# KiCad board Monorail_Steam_Reduced.kicad_pcb (continued)
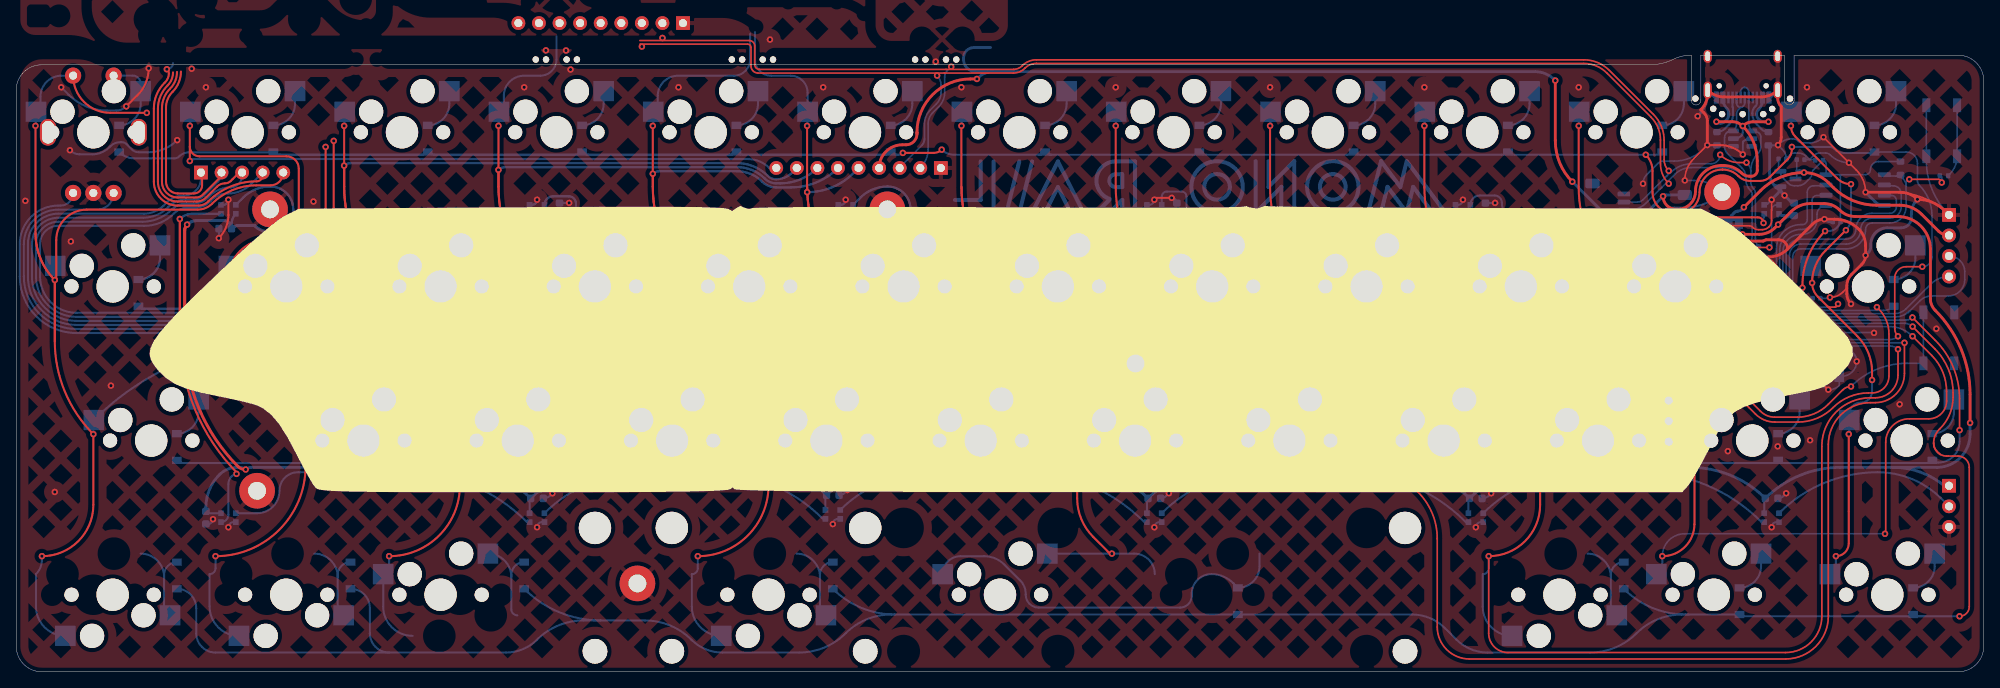
[diagram p0: board, top side]
## Routing (per net, layer and track width the routed paths; a pad name or vN(x,y) marks a point on that pad's centre or on a via; arc(x,y) is an arc through that point) (continued)
  Bottom w0.25: v1(223.29,54.46) 223.72,54.46 arc(224.76,54.89) 225.19,55.93 ; 214.09,45.26 216.39,45.26 ; 214.29,40.26 214.29,45.46 ; 219.09,45.46 219.09,40.26 ; 219.29,40.46 214.09,40.46
  Bottom w0.35: R12.1 211.96,37.43 arc(211.81,37.06) v1(211.43,36.9) ; 213.08,45.64 211.92,46.8 arc(211.9,46.83) 211.89,46.86 arc(211.99,46.88) 212.06,46.93 v1(212.39,47.26) ; 214.29,45.26 212.46,47.09 arc(212.41,47.17) v1(212.39,47.26) ; v1(212.39,47.26) 212.56,47.43 arc(212.65,47.56) 212.68,47.71
+5V: length 41.1
  Top w0.35: v1(213.27,57.41) 215.34,59.48 arc(217.8,61.12) v1(220.69,61.69) arc(222.33,61.37) 223.71,60.44 224.29,59.86 arc(226.73,58.23) 229.61,57.66 232.49,57.66 arc(233.97,57.37) 235.23,56.53 237.3,54.46 arc(237.89,54.06) J8.2
  Bottom w0.2: C2.1 219.79,61.26 arc(219.76,61.06) U2.3
  Bottom w0.35: v1(213.27,57.41) 213.01,57.15 arc(212.76,56.98) 212.46,56.92 arc(212.3,56.89) 212.17,56.8 211.73,56.36 arc(211.46,55.96) JP1.1 arc(210.65,55.96) 209.81,56.13 F1.1 ; 219.79,61.91 220.16,61.91 arc(220.45,61.86) v1(220.69,61.69)
+5VD: length 626.9
  Top w0.35: v1(213.09,54.06) 215.16,54.06 arc(216.21,54.27) 217.09,54.86 v1(217.49,55.26) 219.1,56.87 arc(220.2,57.61) 221.49,57.86 223.16,57.86 arc(224.21,57.65) 225.09,57.06 arc(225.98,56.47) 227.03,56.26 232.27,56.26 arc(235.12,55.09) 236.29,52.24 236.29,46.11 arc(236.45,45.33) 236.89,44.66 arc(240.08,39.9) 241.19,34.28 v1(241.19,30.76) ; 20.8,41.3 20.8,54.54 arc(20.88,54.93) 21.1,55.26 ; v1(28.33,25) 28.27,25 arc(27.8,25.09) 27.39,25.36 arc(22.51,32.67) 20.79,41.3 20.79,54.54 arc(20.87,54.93) v1(21.09,55.26)
  Bottom w0.25: C10.1 102.77,55.3 arc(102.91,56.01) D24.1 ; C9.1 26.57,55.3 arc(26.71,56.01) D22.1 ; 23.64,19.6 D53.1 ; 102.78,54.77 102.78,55.3 arc(102.92,56.01) 103.32,56.6 ; D56.1 179.27,21.09 ; 63.38,21.09 D54.1 ; 65.22,56.6 66.54,56.6 arc(66.83,56.54) 67.08,56.37 ; D25.1 142.73,56.6 arc(143.02,56.54) C5.1 ; D57.1 215.78,21.09 ; D26.1 180.83,56.6 arc(181.12,56.54) C6.1 ; 26.58,54.77 26.58,55.3 arc(26.72,56.01) 27.12,56.6 ; D23.1 66.53,56.6 arc(66.82,56.54) C4.1 ; D55.1 139.58,21.09 ; D52.1 99.89,21.49
  Bottom w0.35: v1(217.49,55.26) 217.99,55.76 arc(218.67,56.22) C7.1 218.15,56.37 arc(217.86,56.43) D27.1 arc(217.52,56.47) 217.49,56.32 ; C28.1 23.42,20.31 arc(23.85,22.5) 25.09,24.36 arc(26.09,25.03) 27.26,25.26 27.7,25.26 arc(28.04,25.19) v1(28.33,25) arc(28.62,25.19) 28.96,25.26 54.27,25.26 arc(59.28,24.27) C24.1 arc(67.76,24.27) 72.77,25.26 91.68,25.26 ; 212.66,55.74 JP1.2 212.66,54.49 arc(212.79,54.19) v1(213.09,54.06) ; v1(241.19,30.76) 241.19,29.36 arc(239.99,26.46) 237.09,25.26 225.17,25.26 arc(220.16,24.27) C27.1 arc(211.68,24.27) 206.67,25.26 188.66,25.26 arc(183.65,24.27) C26.1 arc(175.16,24.27) 170.16,25.26 148.97,25.26 arc(143.96,24.27) C25.1 arc(135.48,24.27) 130.47,25.26 108.32,25.26 arc(103.84,24.37) C23.1 arc(96.23,24.37) 91.74,25.26 ; 238.69,22.36 arc(235.48,24.51) 231.69,25.26 ; v1(21.09,55.26) arc(21.65,55.63) 22.3,55.76 25.58,55.76 arc(26.28,55.47) C9.1 arc(27.01,55.06) 27.52,55.16 29.39,55.16 29.42,55.14 arc(30.28,54.56) 31.29,54.36 31.36,54.36 arc(32.41,54.57) 33.29,55.16 arc(33.3,55.16) 33.3,55.17 64.15,55.17 arc(65.73,55.48) C4.1 arc(68.41,55.48) 69.99,55.17 99.05,55.17 arc(99.57,55.27) 100.01,55.56 arc(100.2,55.68) 100.41,55.73 101.81,55.73 arc(102.49,55.45) C10.1 arc(103.21,55.06) 103.72,55.16 105.49,55.16 arc(106.38,54.57) 107.43,54.36 107.59,54.36 arc(108.61,54.56) 109.47,55.14 109.49,55.16 arc(109.5,55.16) 109.5,55.17 140.35,55.17 arc(141.93,55.48) C5.1 arc(144.61,55.48) 146.19,55.17 178.45,55.17 arc(180.03,55.48) C6.1 ; 109.51,55.17 arc(109.51,55.16) 109.5,55.16 109.48,55.14 arc(108.62,54.56) 107.6,54.36 107.44,54.36 arc(106.39,54.57) 105.5,55.16 103.73,55.16 arc(103.22,55.06) 102.78,54.77 arc(102.5,55.45) 101.82,55.73 100.42,55.73 arc(100.21,55.68) 100.02,55.56 arc(99.58,55.27) 99.06,55.17 70,55.17 arc(68.42,55.48) 67.08,56.37 arc(65.74,55.48) 64.16,55.17 33.31,55.17 arc(33.31,55.16) 33.3,55.16 arc(32.42,54.57) 31.37,54.36 31.3,54.36 arc(30.29,54.56) 29.43,55.14 29.4,55.16 27.53,55.16 arc(27.02,55.06) 26.58,54.77 arc(26.29,55.47) 25.59,55.76 22.31,55.76 arc(21.66,55.63) 21.1,55.26
GND: length 398.9
  Top w0.2: 219.19,41.92 219.19,39.19 arc(219.33,38.49) 219.73,37.9 218.29,36.46 ; 219.19,41.92 219.19,44.86 ; 219.19,41.92 arc(219.95,41.77) 220.59,41.34 221.95,39.98 ; v1(223.69,34.86) 221.94,36.61 221.94,39.97 arc(221.94,39.98) 221.95,39.98 ; v1(223.95,41.92) 221.99,39.97 arc(221.97,39.97) 221.95,39.98 ; v1(216.69,58.34) 216.69,55.76 arc(216.61,55.35) 216.37,54.99 arc(215.98,54.73) 215.52,54.64 215.08,54.64 arc(214.68,54.72) 214.34,54.94 arc(214.15,55.07) 213.92,55.12 208.12,55.12 ; 219.19,44.86 arc(219.07,44.22) 218.7,43.67 v1(217.89,42.86) ; 219.19,44.86 arc(218.55,48.1) 216.72,50.84 v1(216.15,50.92) ; 209.69,41.44 209.69,38.07 arc(209.56,37.42) v1(209.19,36.86) ; 209.69,41.44 209.48,41.44 arc(209.38,41.46) 209.29,41.51 ; 209.69,41.44 209.69,41.86 arc(210.99,43.8) 211.44,46.09 211.44,48.33 arc(211.72,49.7) v1(212.49,50.86) ; v1(223.09,66.06) 227.16,61.99 arc(228,60.74) v1(228.29,59.26) 231.83,59.26 arc(235.49,58.53) J8.1 ; 225.98,47.41 225.49,46.92 arc(224.76,46.43) v1(223.89,46.26) ; v1(208.76,65.09) 207.1,63.43 arc(206.27,62.19) v1(205.98,60.72)
  Top w0.25: v1(13.59,69.87) 14.98,71.27 arc(16,72.79) v1(16.36,74.58) ; v1(199.63,53.86) 201.09,53.86 arc(202.65,53.22) 203.29,51.66 203.51,51.45 arc(204.54,50.76) 205.75,50.52 206.32,50.52 arc(206.52,50.48) v1(206.69,50.36) ; v1(142.64,58.57) 140.72,58.57 arc(140.56,58.5) v1(140.49,58.34) ; v1(26.19,58.34) 26.19,56.45 arc(25.88,54.9) v1(25,53.58) ; v1(208.76,65.09) 210.34,65.09 arc(211.85,64.79) v1(213.13,63.93)
  Top w0.35: 218.68,52.25 221.76,55.33 arc(222.43,55.77) v1(223.21,55.93) 224.47,55.93 arc(226.1,55.61) 227.47,54.69 arc(228.08,53.78) 228.29,52.7 v1(228.29,51.46) arc(228.18,50.88) 227.85,50.38 226.53,49.07 arc(226.12,48.45) 225.98,47.72 225.98,46.71 arc(226.11,46.04) v1(226.49,45.46) ; 218.68,52.25 arc(218.35,53.06) 217.55,53.39 216.04,53.39 arc(215.9,53.36) 215.78,53.28 arc(215.72,53.24) 215.65,53.23 212.68,53.23 arc(212.14,53.34) 211.68,53.64 arc(210.05,54.73) 208.12,55.12 202.66,55.12 arc(201.02,54.79) v1(199.63,53.86) ; 218.68,52.25 arc(217.59,51.52) 216.29,51.26 ; v1(216.15,50.92) 216.29,51.26 ; 216.29,51.26 arc(215.85,50.97) 215.33,50.86 v1(212.49,50.86) ; J8.1 238.07,56.99 arc(236.52,58.02) v1(234.69,58.39) arc(233.72,59.03) 232.58,59.26 v1(228.29,59.26) ; v1(208.76,65.09) 208.76,68.1 arc(208.65,68.62) 208.36,69.06 207.96,69.45 arc(208.58,70.38) 208.8,71.48 ; v1(217.49,65.09) arc(217.78,65.53) 217.88,66.05 217.88,69.85 arc(217.56,70.34) 217.44,70.92 J6.S1 arc(216.51,71.26) 215.42,71.04 210.83,71.04 arc(209.73,71.26) J6.S1
  Bottom w0.2: C15.2 C14.2 215.44,50.21 v1(216.15,50.92) ; v1(216.15,50.92) 216.29,51.26 arc(216.26,51.08) v1(216.15,50.92) ; C2.2 221.37,63.29 ; 221.37,63.29 220.98,63.69 arc(220.5,64) 219.94,64.11 219.55,64.11 arc(219.22,64.05) 218.94,63.86 218.56,63.47 arc(218.52,63.42) C1.2 arc(218.38,64.01) 218.02,64.56 v1(217.49,65.09) 217.6,65.2 arc(218.33,65.69) 219.19,65.86 219.34,65.86 arc(219.67,65.8) 219.94,65.61 arc(220.22,65.43) 220.55,65.36 221.4,65.36 arc(222.32,65.54) v1(223.09,66.06) ; 221.37,63.29 221.84,63.76 arc(222.23,64.02) 222.69,64.11 223.34,64.11 arc(223.67,64.05) 223.94,63.86 arc(225,63.16) 226.24,62.91 v1(226.24,62.91) ; 221.37,63.29 221.89,63.29 arc(221.99,63.27) C3.2 ; C20.2 C21.2 218.24,36.38 arc(218.34,36.4) v1(218.43,36.46) ; C16.2 223.64,46.16 arc(223.78,46.18) v1(223.89,46.26) ; v1(204.09,52.06) 205.35,50.81 arc(205.74,50.55) 206.2,50.45 209.22,50.45 arc(209.34,50.43) 209.44,50.36 arc(210.03,49.97) 210.73,49.83 C11.2 C13.2 ; v1(205.98,60.72) 207.09,60.72 arc(208.98,60.35) H1.1 ; v1(208.76,65.09) 208.26,64.59 arc(206.62,63.5) 204.69,63.11 203.3,63.11 arc(202.97,63.05) 202.69,62.86 201.29,61.46 arc(200.94,60.94) v1(200.82,60.32) ; C22.1 222.37,35.47 arc(222.74,35.22) 223.18,35.13 arc(223.4,35.09) 223.59,34.97 v1(223.69,34.86) 223.8,34.86 arc(224.47,35) 225.05,35.38 Y1.4 225.36,36.53 arc(226.66,37.07) v1(227.19,38.36) ; v1(209.36,41.47) 209.33,41.5 arc(209.31,41.51) 209.29,41.51 arc(209.35,41.55) 209.41,41.56 C18.2 ; C17.2 223.65,41.96 ; U4.19 217.69,39.01 arc(217.79,38.78) 218.02,38.69 220.73,38.69 arc(221.25,38.79) C19.2 ; v1(223.95,41.92) 229.24,41.92 arc(229.29,41.91) v1(229.34,41.88) ; SWR1.1 SWR1.1 235.79,63.22 arc(236.52,59.56) J8.1
  Bottom w0.25: R7.1 217.41,65.06 arc(217.45,65.06) v1(217.49,65.09) ; 25.03,54.77 25.03,53.6 arc(25.03,53.58) 25.01,53.58 ; v1(5.56,72.23) 6.47,71.32 arc(8.64,69.87) 11.19,69.36 12.35,69.36 arc(13.02,69.5) v1(13.59,69.87) ; 143.27,57.92 143.27,57.93 arc(143.09,58.38) v1(142.64,58.57) ; D26.3 177.95,57.7 arc(178.41,57.89) v1(178.59,58.34) ; v1(199.63,53.86) 202.02,56.26 arc(203.25,57.07) 204.69,57.36 205.97,57.36 arc(208.47,57.86) H1.1 ; v1(216.69,58.34) 216.25,57.89 arc(216.03,57.75) D27.3 ; v1(218.49,22.06) 218.14,21.71 arc(217.83,21.5) C27.2 ; v1(66.19,22.06) 65.91,21.78 arc(65.52,21.52) C24.2 ; C10.2 101.22,53.6 arc(101.22,53.58) v1(101.2,53.58) ; v1(142.29,22.06) 141.94,21.71 arc(141.63,21.5) C25.2 ; D52.3 101.45,18.9 arc(100.99,18.71) v1(100.81,18.26) ; D53.3 26.83,18.5 arc(26.38,18.31) v1(26.19,17.86) ; D54.3 64.93,18.5 arc(64.48,18.31) v1(64.29,17.86) ; D22.3 25.55,57.7 arc(26.01,57.89) v1(26.19,58.34) ; D25.3 139.85,57.7 arc(140.31,57.89) v1(140.49,58.34) ; D55.3 141.13,18.5 arc(140.68,18.31) v1(140.49,17.86) ; 63.39,57.7 63.66,57.7 arc(64.12,57.89) 64.3,58.34 ; C9.2 25.02,53.6 arc(25.02,53.58) v1(25,53.58) ; v1(102.61,22.46) 102.25,22.1 arc(101.94,21.9) C23.2 ; D23.3 63.65,57.7 arc(64.11,57.89) v1(64.29,58.34) ; D56.3 180.82,18.5 arc(180.37,18.31) v1(180.18,17.86) ; 181.37,57.92 182.54,57.92 arc(182.56,57.93) v1(182.56,57.94) ; C19.2 222.48,39.09 arc(222.95,38.99) Y1.2 arc(223.66,39.48) 224.41,39.79 225.77,39.79 arc(226.78,39.37) v1(227.19,38.36) ; R6.1 208.83,65.06 arc(208.79,65.06) v1(208.76,65.09) ; v1(182.08,22.06) 181.8,21.78 arc(181.41,21.52) 180.96,21.43 ; 67.1,57.94 68.27,57.94 ; 25.29,57.7 25.56,57.7 arc(26.02,57.89) 26.2,58.34 ; 101.49,57.7 101.76,57.7 arc(102.22,57.89) 102.4,58.34 ; 101.23,54.77 101.23,53.6 arc(101.23,53.58) 101.21,53.58 ; D24.3 101.75,57.7 arc(102.21,57.89) v1(102.39,58.34) ; D57.3 217.33,18.5 arc(216.88,18.31) v1(216.69,17.86) ; 67.09,57.94 v1(68.26,57.94) ; v1(19.88,65.7) arc(18.22,64.59) 16.26,64.2 15.13,64.2 arc(14.67,64.29) 14.28,64.55 13.63,65.2 arc(13.35,65.39) 13.03,65.45 12.84,65.45 arc(12.19,65.32) 11.63,64.95 11.52,64.83 arc(10.54,64.18) 9.38,63.95 7.84,63.95 arc(7.19,64.08) v1(6.63,64.45) ; v1(213.13,63.93) arc(213.14,63.94) 213.15,63.96 213.15,65.39 arc(213.16,65.47) 213.21,65.54 arc(213.59,65.79) 214.04,65.88 ; 23.71,18.27 arc(24.12,18.45) v1(24.29,18.86)
  Bottom w0.35: J6.S1 216.64,71.07 arc(216.52,70.99) J6.A12 ; C8.2 223.96,55.62 arc(223.55,55.7) v1(223.21,55.93) ; v1(228.29,51.46) 228.59,51.76 arc(228.85,52.15) 228.94,52.61 228.94,52.86 arc(229.53,54.28) 230.94,54.86 232.69,54.86 arc(233.58,55.23) 233.94,56.11 233.94,56.58 arc(234.14,57.56) v1(234.69,58.39) ; J6.S1 209.61,71.07 arc(209.73,70.99) J6.A1 ; C12.2 212.2,50.15 arc(212.28,50.54) v1(212.49,50.86) ; v1(216.69,58.34) 217.39,59.04 arc(217.67,59.46) U2.1 arc(217.87,59.43) 218.17,58.99 v1(218.29,58.86) ; v1(218.29,58.86) 217.08,60.08 arc(216.61,60.78) 216.44,61.61 216.44,64.7 arc(216.41,64.89) R7.1 ; v1(218.29,58.86) 219.06,58.1 arc(219.25,57.97) 219.47,57.92 ; v1(216.15,50.92) 216.29,50.18 arc(216.33,49.99) C15.2 ; v1(228.29,59.26) 229.45,58.11 arc(229.98,57.75) U3.4 ; v1(207.57,68.66) arc(208.48,70.03) 208.8,71.64
  vias: v1(1.13,58.2) v1(4.76,22.22) v1(6.75,53.18) v1(11.69,35.36) v1(21.66,74.53) v1(23.42,72.23) v1(36.69,58.11) v1(41.94,33.11) v1(47.23,53.18) v1(60.09,33.26) v1(62.71,72.23) v1(65.39,76.79) v1(66.28,53.18) v1(67.87,76.78) v1(68.43,74.42) v1(80.09,33.26) v1(81.76,72.23) v1(83.34,53.18) v1(93.05,78.12) v1(98.09,33.66) v1(99.62,72.23) v1(104.38,53.18) v1(113.51,75.41) v1(116.68,72.23) v1(117.89,33.46) v1(123.43,53.18) v1(135.73,72.23) v1(137.69,32.36) v1(142.48,53.18) v1(145.94,30.61) v1(154.78,72.23) v1(156.09,33.66) v1(161.53,53.18) v1(173.83,72.23) v1(174.49,33.66) v1(180.58,53.18) v1(192.88,72.23) v1(194.69,32.26) v1(211.29,27.26) v1(215.49,44.06) v1(215.49,42.86) v1(215.49,41.66) v1(216.69,44.06) v1(216.69,41.66) v1(217.44,27.86) v1(217.89,44.06) v1(217.89,41.66) v1(221.06,72.23) v1(221.44,28.61) v1(232.49,33.06) v1(237.03,42.4)
VCC: length 168.4
  Top w0.35: v1(209.89,67.98) 211.84,67.98 arc(212.54,67.84) v1(213.13,67.45) ; v1(118.59,73.26) 117.79,73.26 arc(113.13,71.33) 111.19,66.66 111.19,66.47 arc(110.8,65.52) 109.85,65.12 109.39,65.12 arc(107.36,64.29) J3.4 ; v1(216.3,67.97) 214.4,67.97 arc(213.71,67.84) v1(213.13,67.45) ; 111.2,66.66 111.2,66.56 ; v1(189.99,73.06) 189.99,65.63 arc(190.54,62.89) v1(192.09,60.56) ; v1(213.13,67.45) arc(214.46,65.46) 214.93,63.11 214.93,61.96 arc(214.72,61.45) 214.21,61.24 213.96,61.24 arc(213.42,61.35) 212.97,61.66 arc(211.96,62.33) 210.78,62.56 210.49,62.56 arc(208.23,61.63) 207.29,59.36 arc(206.65,57.81) 205.09,57.16 204.89,57.16 arc(203.76,57.63) v1(203.29,58.76)
  Bottom w0.25: v1(213.13,67.45) 213.13,66.6 arc(213.1,66.42) 213,66.28 arc(212.56,65.98) 212.04,65.88
  Bottom w0.35: v1(189.99,73.06) 189.88,73.17 arc(188.79,73.91) 187.49,74.16 120.59,74.16 ; F1.2 203.69,58.93 arc(203.48,58.89) v1(203.29,58.76) 202.08,57.55 arc(200.42,56.44) J7.1 arc(196.75,56.39) 195.31,57.35 v1(192.09,60.56) ; 120.27,77.15 118.24,77.15 arc(117.32,76.77) 116.94,75.85 116.94,75.68 arc(117.39,74.61) 118.46,74.16 120.59,74.16 ; v1(209.89,67.98) 209.9,67.97 arc(210.1,67.83) 210.34,67.78 arc(210.7,67.86) 211.01,68.06 211.08,68.13 arc(211.32,68.49) 211.4,68.9 211.4,69.06 arc(211.34,69.36) 211.17,69.62 arc(210.8,70.17) 210.67,70.82 ; v1(216.3,67.97) 215.83,67.97 arc(215.44,68.05) 215.11,68.27 215.1,68.29 arc(214.91,68.57) 214.84,68.91 arc(214.9,69.23) 215.09,69.5 215.12,69.54 arc(215.45,70.04) 215.57,70.62 ; v1(118.59,73.26) 118.72,73.38 arc(119.58,73.96) 120.59,74.16
(no net): length 157.7
  Bottom w0.25: 204.88,42.36 143.78,42.36 arc(143.25,42.47) 142.81,42.76 arc(140.71,44.17) 138.22,44.66 138.2,44.66 arc(135.72,44.17) 133.61,42.76 ; 48.44,42.36 132.64,42.36 arc(133.16,42.47) 133.6,42.76
COL0: length 357.7
  Top w0.25: v1(2.38,67.47) 2.38,54.17 arc(3,51.06) v1(4.76,48.42) ; 4.77,40.87 4.77,48.42 arc(3.01,51.06) 2.39,54.17 ; v1(4.76,48.42) 4.76,40.87 arc(6,34.64) v1(9.52,29.37) 9.52,20.64 arc(7.67,16.15) v1(3.18,14.29) ; v1(4.76,48.42) arc(4.89,48.47) 4.94,48.6 4.94,53.36 arc(6.04,56.01) 8.69,57.11 22.38,57.11 arc(23.36,57.31) 24.19,57.86 arc(26.69,59.53) 29.63,60.11 31.38,60.11 arc(32.5,60.58) 32.97,61.7 ; v1(16.12,69.08) 11.62,69.08 arc(8.37,70.42) SW3.S1
  Bottom w0.2: 205.27,40.86 205.35,40.86 arc(206.78,41.15) 207.99,41.96 arc(208.77,42.48) 209.69,42.66 U4.35 ; 205.27,40.86 205.49,40.86 ; 205.27,40.86 203.69,40.86
  Bottom w0.25: v1(3.18,14.29) 3.18,13.84 arc(2.98,12.88) 2.44,12.06 2.44,8.07 arc(3.5,5.51) MX55.2 ; v1(9.52,29.37) 9.52,30.97 ; 4.83,50.16 4.83,48.56 arc(4.82,48.48) 4.77,48.42 ; MX30.1 4.82,48.56 arc(4.81,48.48) v1(4.76,48.42) ; MX18.1 2.44,67.53 v1(2.38,67.47) ; 2.99,69.77 2.99,71.06 arc(3.76,72.9) 5.59,73.66 7.01,73.66 arc(7.02,73.67) SW3.S1 ; 203.69,40.86 143.88,40.86 arc(142.71,41.1) 141.71,41.76 arc(140.16,42.8) 138.33,43.16 138.09,43.16 arc(136.26,42.8) 134.71,41.76 arc(133.71,41.1) 132.54,40.86 ; 9.59,31.11 arc(20.39,38.33) 33.13,40.86 132.53,40.86 arc(133.71,41.1) 134.7,41.76
COL1: length 376.5
  Top w0.25: 21.43,64.9 v1(21.43,63.12) ; 21.43,64.9 v1(21.43,67.47) ; 21.43,64.9 arc(21.78,64.05) 22.63,63.7 33.38,63.7 arc(34.44,63.26) 34.88,62.2 34.88,57.2 arc(33.78,54.55) 31.13,53.45 arc(27.64,52) 26.19,48.51 v1(26.19,48.42) arc(27.94,39.62) 32.93,32.16 v1(35.72,29.37) 35.72,25.4 arc(32.46,17.54) v1(24.61,14.29) ; 26.2,48.42 arc(27.95,39.62) 32.94,32.16
  Bottom w0.2: U4.34 209.79,42.26 arc(209.05,42.12) 208.43,41.7 208.29,41.56 arc(206.97,40.67) 205.4,40.36 203.69,40.36
  Bottom w0.25: 26.26,50.16 26.26,48.56 arc(26.25,48.48) 26.2,48.42 ; v1(35.72,29.37) 35.72,30.97 ; MX17.1 21.49,67.61 arc(21.47,67.53) v1(21.43,67.47) ; J3.9 92.98,62.26 arc(92.97,62.27) 92.96,62.27 arc(91.75,63.08) 90.33,63.36 22,63.36 arc(21.69,63.3) v1(21.43,63.12) ; MX29.1 26.25,48.56 arc(26.24,48.48) v1(26.19,48.42) ; 203.69,40.36 143.83,40.36 arc(142.52,40.62) 141.41,41.36 arc(139.97,42.32) 138.27,42.66 138.15,42.66 arc(136.45,42.32) 135.01,41.36 arc(133.9,40.62) 132.6,40.36 ; v1(24.61,14.29) 24.61,12.8 arc(24.39,12.28) 23.87,12.06 23.87,8.07 arc(24.93,5.51) MX53.1 ; 35.79,31.11 arc(46.03,37.96) 58.11,40.36 132.59,40.36 arc(133.9,40.62) 135,41.36 ; 22.01,63.36 arc(21.7,63.3) 21.44,63.12
COL2: length 394.8
  Top w0.25: v1(40.48,67.47) v1(40.48,62.55) 40.48,59.92 arc(41.72,53.69) v1(45.24,48.42) arc(46.99,39.62) 51.98,32.16 v1(54.77,29.37) 54.77,23.02 arc(52.21,16.84) v1(46.04,14.29) ; 40.49,62.55 40.49,59.92 arc(41.73,53.69) 45.25,48.42 arc(47,39.62) 51.99,32.16
  Bottom w0.2: U4.32 212.58,41.46 arc(212.32,41.41) 212.09,41.26 arc(211.47,40.85) 210.74,40.7 209.28,40.7 arc(208.5,40.54) 207.83,40.1 arc(207.57,39.92) 207.26,39.86 203.69,39.86
  Bottom w0.25: 203.69,39.86 143.91,39.86 arc(142.34,40.17) 141.01,41.06 arc(139.79,41.88) 138.36,42.16 138.07,42.16 arc(136.63,41.88) 135.41,41.06 arc(134.08,40.17) 132.51,39.86 ; MX28.1 45.3,48.56 arc(45.29,48.48) v1(45.24,48.42) ; 96.37,62.26 95.8,61.69 arc(94.88,61.08) 93.8,60.86 arc(93.25,60.97) 92.78,61.29 arc(91.03,62.45) 88.98,62.86 41.25,62.86 arc(40.84,62.78) 40.49,62.55 ; MX40.1 54.83,29.51 arc(54.81,29.43) v1(54.77,29.37) ; J3.8 95.79,61.69 arc(94.87,61.08) 93.79,60.86 arc(93.24,60.97) 92.77,61.29 arc(91.02,62.45) 88.97,62.86 41.24,62.86 arc(40.83,62.78) v1(40.48,62.55) ; v1(46.04,14.29) 46.04,12.8 arc(45.82,12.28) MX52.1 45.3,8.07 arc(46.36,5.51) 48.93,4.44 ; MX16.1 40.54,67.61 arc(40.52,67.53) v1(40.48,67.47) ; 45.31,50.16 45.31,48.56 arc(45.3,48.48) 45.25,48.42 ; 135.4,41.06 arc(134.07,40.17) 132.51,39.86 75.96,39.86 arc(64.53,37.59) 54.84,31.11
COL3: length 323.2
  Top w0.25: v1(59.53,67.47) v1(59.53,62.02) 59.53,59.92 arc(60.77,53.69) v1(64.29,48.42) arc(66.04,39.62) 71.03,32.16 v1(73.82,29.37) ; 59.54,62.02 59.54,59.92 arc(60.78,53.69) 64.3,48.42 arc(66.05,39.62) 71.04,32.16
  Bottom w0.2: U4.31 212.78,41.06 arc(212.52,41.01) 212.29,40.86 arc(211.67,40.45) 210.94,40.3 209.48,40.3 arc(208.7,40.14) 208.03,39.7 arc(207.66,39.45) 207.22,39.36 203.69,39.36
  Bottom w0.25: 64.36,50.16 64.36,48.56 arc(64.35,48.48) 64.3,48.42 ; v1(73.82,29.37) 73.82,30.97 ; MX27.1 64.35,48.56 arc(64.34,48.48) v1(64.29,48.42) ; MX15.1 59.59,67.61 arc(59.57,67.53) v1(59.53,67.47) ; 66.69,78.52 66.69,75.66 arc(66.11,74.25) 64.69,73.66 62.69,73.66 arc(60.93,72.93) 60.19,71.16 60.19,69.82 ; 203.69,39.36 143.85,39.36 arc(142.15,39.7) 140.71,40.66 arc(139.6,41.4) 138.3,41.66 138.13,41.66 arc(136.82,41.4) 135.71,40.66 arc(134.27,39.7) 132.57,39.36 ; J3.7 arc(96.8,60.86) 94.32,60.36 93.79,60.36 arc(93.05,60.51) 92.43,60.93 92.39,60.96 arc(90.84,62) 89.01,62.36 60.35,62.36 arc(59.91,62.27) v1(59.53,62.02) ; 73.89,31.11 arc(83.02,37.22) 93.8,39.36 132.57,39.36 arc(134.26,39.7) 135.7,40.66 ; 98.91,62.26 arc(96.81,60.86) 94.33,60.36 93.8,60.36 arc(93.06,60.51) 92.44,60.93 92.4,60.96 arc(90.85,62) 89.02,62.36 60.36,62.36 arc(59.92,62.27) 59.54,62.02
COL4: length 308.8
  Top w0.25: v1(78.58,67.47) v1(78.58,61.55) 78.58,59.92 arc(79.82,53.69) v1(83.34,48.42) arc(85.09,39.62) 90.08,32.16 v1(92.87,29.37) 92.87,23.02 arc(90.31,16.84) v1(84.14,14.29) ; 78.59,61.55 78.59,59.92 arc(79.83,53.69) 83.35,48.42 arc(85.1,39.62) 90.09,32.16
  Bottom w0.2: 203.69,38.86 207.13,38.86 arc(207.74,38.99) 208.27,39.33 arc(208.89,39.75) 209.63,39.9 211.01,39.9 arc(211.84,40.07) 212.55,40.54 arc(212.69,40.63) 212.85,40.66 U4.30
  Bottom w0.25: MX14.1 78.64,67.61 arc(78.62,67.53) v1(78.58,67.47) ; MX38.1 92.93,29.51 arc(92.91,29.43) v1(92.87,29.37) ; v1(84.14,14.29) 84.14,12.8 arc(83.92,12.28) 83.4,12.06 83.4,8.07 arc(84.46,5.51) MX49.2 ; v1(83.34,48.42) 83.34,50.02 ; 203.69,38.86 143.93,38.86 arc(141.97,39.25) 140.31,40.36 arc(139.42,40.95) 138.38,41.16 138.04,41.16 arc(137,40.95) 136.11,40.36 arc(134.45,39.25) 132.49,38.86 ; 90.59,78.87 90.59,75.66 arc(90.01,74.25) 88.59,73.66 81.69,73.66 arc(79.93,72.93) 79.19,71.16 79.19,69.77 ; 83.35,48.42 83.35,50.02 ; 78.59,61.55 arc(78.94,61.78) 79.35,61.86 88.97,61.86 arc(90.66,61.52) 92.1,60.56 arc(92.88,60.04) 93.79,59.86 95.66,59.86 arc(98.8,60.49) 101.45,62.26 ; J3.6 arc(98.79,60.49) 95.65,59.86 93.78,59.86 arc(92.87,60.04) 92.09,60.56 arc(90.65,61.52) 88.96,61.86 79.34,61.86 arc(78.93,61.78) v1(78.58,61.55) ; 136.1,40.36 arc(134.44,39.25) 132.48,38.86 111.64,38.86 arc(101.52,36.85) 92.94,31.11
COL5: length 221.5
  Top w0.25: v1(111.92,29.37) 109.13,32.16 arc(104.14,39.62) v1(102.39,48.42) arc(98.87,53.69) 97.63,59.92 v1(97.63,67.47) ; 97.64,59.92 arc(98.88,53.69) 102.4,48.42 arc(104.15,39.62) 109.14,32.16
  Bottom w0.2: 203.69,38.36 207.13,38.36 arc(207.84,38.5) 208.43,38.9 arc(209.1,39.34) 209.88,39.5 211.42,39.5 arc(212.41,39.7) U4.29
  Bottom w0.25: 91.19,79.06 91.19,75.66 arc(91.78,74.25) 93.19,73.66 95.59,73.66 arc(97.08,73.05) 97.69,71.57 MX13.1 97.69,67.61 arc(97.67,67.53) v1(97.63,67.47) ; 103.99,62.26 103.37,61.64 arc(100.75,59.89) 97.65,59.27 ; MX37.1 111.98,29.51 arc(111.96,29.43) v1(111.92,29.37) ; 102.46,50.16 102.46,48.56 arc(102.45,48.48) 102.4,48.42 ; 203.69,38.36 143.87,38.36 arc(141.78,38.78) 140.01,39.96 arc(139.24,40.48) 138.32,40.66 138.1,40.66 arc(137.19,40.48) 136.41,39.96 arc(134.64,38.78) 132.55,38.36 129.49,38.36 ; MX25.1 102.45,48.56 arc(102.44,48.48) v1(102.39,48.42) ; J3.5 103.36,61.64 arc(100.74,59.89) v1(97.64,59.27) ; 111.99,31.11 arc(120.02,36.48) 129.48,38.36 132.54,38.36 arc(134.63,38.78) 136.4,39.96
COL6: length 202.9
  Top w0.25: v1(116.68,67.47) 116.68,59.92 arc(117.92,53.69) v1(121.44,48.42) arc(123.19,39.62) 128.18,32.16 v1(130.97,29.37) 130.97,21.46 arc(131.48,18.87) 132.95,16.67 134.85,14.77 arc(135.04,14.65) v1(135.25,14.6) ; 116.69,59.92 arc(117.93,53.69) 121.45,48.42 arc(123.2,39.62) 128.19,32.16
  Bottom w0.2: 203.69,37.86 207.09,37.86 arc(207.93,38.03) 208.63,38.5 arc(209.3,38.94) 210.08,39.1 213.3,39.1 arc(213.73,39.19) U4.28
  Bottom w0.25: 203.69,37.86 145.13,37.86 arc(142.23,37.29) 139.78,35.65 ; 136.41,34.23 135.57,34.23 arc(134.27,33.98) 133.16,33.23 131.04,31.11 ; v1(130.97,29.37) 130.97,30.97 ; v1(121.44,48.42) 121.44,50.02 ; MX12.1 116.74,67.61 arc(116.72,67.53) v1(116.68,67.47) ; 121.45,48.42 121.45,50.02 ; MX48.2 v1(135.25,14.6) 138.01,14.6 arc(139.81,13.86) 140.55,12.06 ; 131.04,31.11 133.16,33.23 arc(134.27,33.98) 135.58,34.23 136.41,34.23 arc(138.22,34.59) 139.75,35.62
COL7: length 114.6
  Top w0.25: v1(135.73,67.47) 135.73,59.92 arc(136.97,53.69) v1(140.49,48.42) arc(142.24,39.62) 147.23,32.16 v1(150.02,29.37)
  Bottom w0.2: U4.27 214.49,38.94 arc(214.47,38.81) 214.39,38.7 arc(214.35,38.67) 214.29,38.66 210.19,38.66 arc(209.45,38.52) 208.83,38.1 arc(208.01,37.55) 207.05,37.36 165.16,37.36 arc(157,35.74) MX35.1 arc(150.09,31.12) 150.09,31.13
  Bottom w0.25: MX35.1 150.08,29.51 arc(150.06,29.43) v1(150.02,29.37) ; MX11.1 135.79,67.61 arc(135.77,67.53) v1(135.73,67.47) ; v1(140.49,48.42) 140.49,50.02
COL8: length 179.2
  Top w0.2: v1(233.09,40.66) 233.09,36.86 arc(232.04,34.32) 229.49,33.26 228.89,33.26 arc(225.22,31.74) 223.69,28.06 223.69,6.86 arc(222.15,3.13) 218.42,1.59 179.39,1.59 arc(176.58,2.75) 175.42,5.56 175.42,16.48 arc(174.8,19.59) 173.04,22.22 171.31,23.95 arc(169.65,26.44) v1(169.07,29.37)
  Top w0.25: v1(169.07,29.37) 166.28,32.16 arc(161.29,39.62) v1(159.54,48.42) arc(156.02,53.69) 154.78,59.92 v1(154.78,67.47)
  Bottom w0.2: U4.13 v1(233.09,40.66)
  Bottom w0.25: MX10.1 154.84,67.61 arc(154.82,67.53) v1(154.78,67.47) ; v1(169.07,29.37) 169.07,30.97 ; MX23.1 159.6,48.56 arc(159.59,48.48) v1(159.54,48.42)
COL9: length 184
  Top w0.2: v1(232.29,39.86) 232.29,36.66 arc(231.47,34.68) 229.49,33.86 228.89,33.86 arc(224.65,32.11) 222.89,27.86 222.89,6.86 arc(221.58,3.69) 218.41,2.38 184.15,2.38 arc(182.47,3.08) 181.77,4.76 v1(181.77,14.29)
  Top w0.25: v1(173.83,67.47) 173.83,59.92 arc(175.07,53.69) v1(178.59,48.42) arc(180.34,39.62) 185.33,32.16 v1(188.12,29.37) 188.12,20.64 arc(186.26,16.15) v1(181.77,14.29)
  Bottom w0.2: U4.14 231.33,40.26 arc(231.85,40.16) v1(232.29,39.86)
  Bottom w0.25: MX9.1 173.89,67.61 arc(173.87,67.53) v1(173.83,67.47) ; v1(181.77,14.29) 181.77,12.8 arc(181.55,12.28) 181.03,12.06 181.03,8.07 arc(182.1,5.51) MX45.1 ; v1(178.59,48.42) 178.59,50.02 ; MX33.1 188.18,29.51 arc(188.16,29.43) v1(188.12,29.37)
COL10: length 142.7
  Top w0.2: v1(234.09,41.46) 236.46,39.1 arc(237.82,37.06) 238.29,34.66 238.29,33.46 arc(237.65,31.91) 236.09,31.26 233.69,31.26 arc(231.63,30.41) 230.78,28.36 230.78,17.15 arc(230.75,17.09) v1(230.69,17.06)
  Top w0.25: v1(192.88,67.47) 192.88,59.92 arc(194.12,53.69) v1(197.64,48.42) arc(198.69,43.15) 201.68,38.68 205.69,34.66 arc(206.79,33.03) 207.17,31.1 v1(207.17,29.37) 207.17,18.26 arc(206.01,15.45) v1(203.2,14.29)
  Bottom w0.2: v1(230.69,17.06) 205.97,17.06 arc(204.01,16.25) v1(203.2,14.29) ; U4.8 231.2,42.66 arc(232.76,42.35) v1(234.09,41.46)
  Bottom w0.25: MX8.1 192.94,67.61 arc(192.92,67.53) v1(192.88,67.47) ; MX21.1 197.7,48.56 arc(197.69,48.48) v1(197.64,48.42) ; v1(203.2,14.29) 203.2,12.8 arc(202.98,12.28) MX44.1 ; MX32.1 207.23,29.51 arc(207.21,29.43) v1(207.17,29.37) ; 230.49,16.86 arc(230.64,16.92) v1(230.69,17.06)
COL11: length 76.6
  Top w0.2: v1(224.89,45.46) arc(224.78,45.18) 224.49,45.06 223.84,45.06 arc(223.7,45.09) 223.59,45.16
  Top w0.25: v1(229.09,36.06) 229.09,37.06 arc(228.62,39.46) 227.26,41.5 222.4,46.36 arc(221.88,47.14) v1(221.69,48.06) arc(222.12,50.22) 223.35,52.05 v1(225.87,54.57) ; v1(226.22,29.37) 226.22,15.87 arc(225.75,14.75) v1(224.63,14.29) ; v1(226.49,60.26) arc(225.57,60.45) 224.79,60.97 219.63,66.12 arc(219.22,66.74) v1(219.07,67.47)
  Bottom w0.2: U4.2 224.49,45.06 arc(224.78,45.18) v1(224.89,45.46)
  Bottom w0.25: MX7.1 219.13,67.61 arc(219.12,67.53) v1(219.07,67.47) ; v1(221.69,48.06) 221.69,49.73 arc(221.65,49.97) MX20.1 ; v1(229.09,36.06) 229.09,34.66 arc(228.68,33.67) 227.69,33.26 arc(226.69,32.85) 226.28,31.85 MX31.1 226.28,29.51 arc(226.26,29.43) v1(226.22,29.37) ; v1(224.63,14.29) 224.63,12.8 arc(224.42,12.28) 223.9,12.06 ; v1(226.49,60.26) 226.49,56.09 arc(226.33,55.27) v1(225.87,54.57)
D+: length 194.9
  Top w0.2: 76.99,78.01 90.48,78.01 arc(90.96,77.81) 91.16,77.34 91.16,75.05 arc(91.34,74.62) 91.77,74.44 123.11,74.44 arc(123.68,74.55) 124.17,74.88 124.19,74.9 arc(125,75.44) 125.96,75.63 193.49,75.63 arc(195.21,75.29) 196.67,74.31 202.11,68.88 arc(203.08,67.42) 203.42,65.7 203.42,63.33 ; v1(213.59,62.93) 212.68,62.93 arc(211.42,63.18) v1(210.34,63.9) ; 203.42,63.29 arc(203.57,62.54) v1(203.99,61.91)
  Bottom w0.2: v1(213.59,62.93) 213.74,62.78 arc(214.02,62.36) 214.12,61.87 ; J7.3 200.11,58.05 arc(200.49,58.12) 200.82,58.34 203.71,61.23 ; v1(115.42,74.77) 114.91,74.26 arc(114.69,73.94) 114.62,73.56 114.62,71.6 arc(114.43,70.65) 113.89,69.84 113.15,69.11 arc(112.72,68.46) 112.57,67.69 112.57,64.59 arc(112.32,63.33) J3.2 ; 203.71,61.23 204.14,61.67 arc(204.19,61.7) 204.25,61.71 arc(205.44,62.51) 206.84,62.78 209.23,62.78 arc(210.02,63.11) v1(210.34,63.9) ; 203.71,61.23 arc(203.92,61.55) v1(203.99,61.91) ; J6.A6 212.87,71.68 arc(212.91,71.89) 213.03,72.07 213.07,72.11 arc(213.2,72.19) 213.35,72.22 213.39,72.22 arc(213.55,72.19) 213.68,72.1 arc(213.82,71.89) 213.87,71.64 J6.B6 213.87,67.77 arc(213.97,67.26) U1.1 ; 214.12,61.87 214.12,60.56 arc(214.22,60.08) 214.49,59.66 arc(214.64,59.44) 214.69,59.18 214.69,53.54 arc(214.8,53.02) R11.2 ; 214.12,61.87 arc(214.36,63.08) 215.05,64.11 arc(215.29,64.46) 215.37,64.88 215.37,66.08 arc(215.32,66.32) 215.18,66.53 arc(214.85,66.75) 214.46,66.83 ; 79.77,78.58 v1(79.77,78.33)
